# Altium PCB FMC_SDR_XFE.PcbDoc (part 1 of 4)
Units mm, origin at the board's own origin, x right, y up, seen from the top; angles counter-clockwise.
Board outline 84 x 69 mm, 8 copper layers (Top, Int1 [GND], Int2 [shielded signals], Int3 [GND], Int4 [PWR], Int5 [signals], Int6 [PWR], Bottom), stack 1.579 mm thick; 430 components, 195 nets, 1289 pads, 1371 vias.
Unrouted connection lines stored in the file: 1.
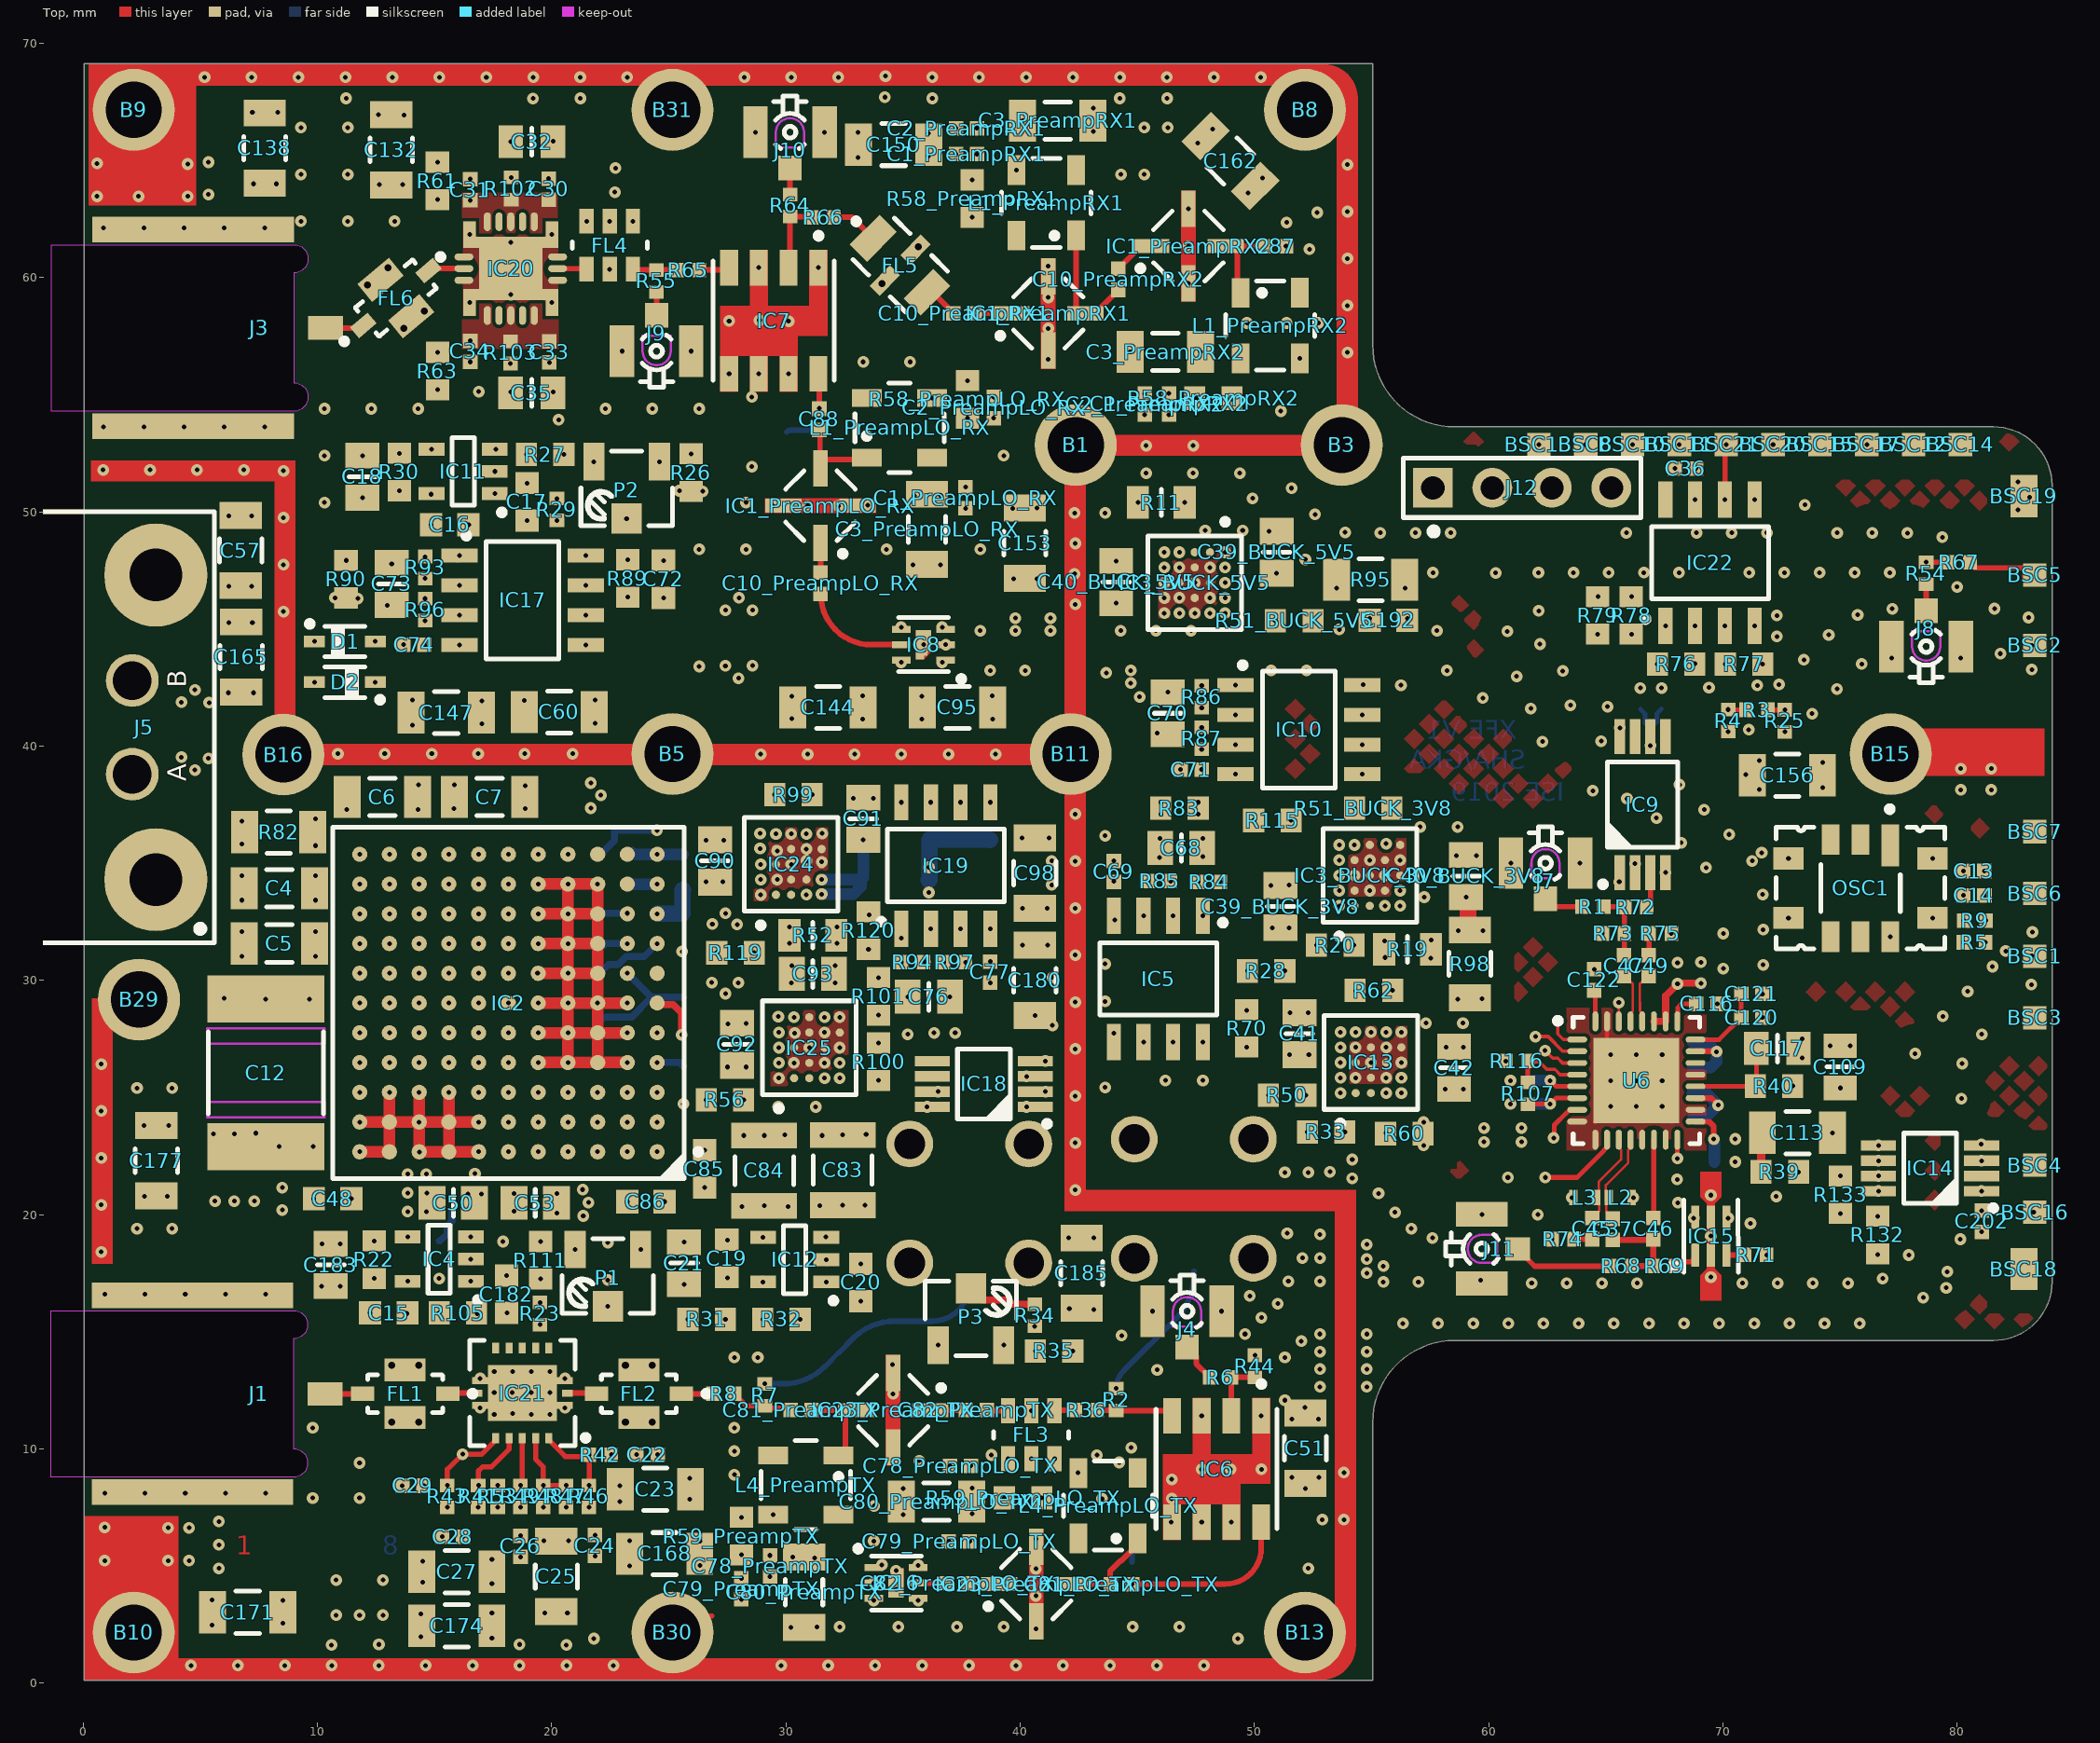
[diagram p0: Top view]
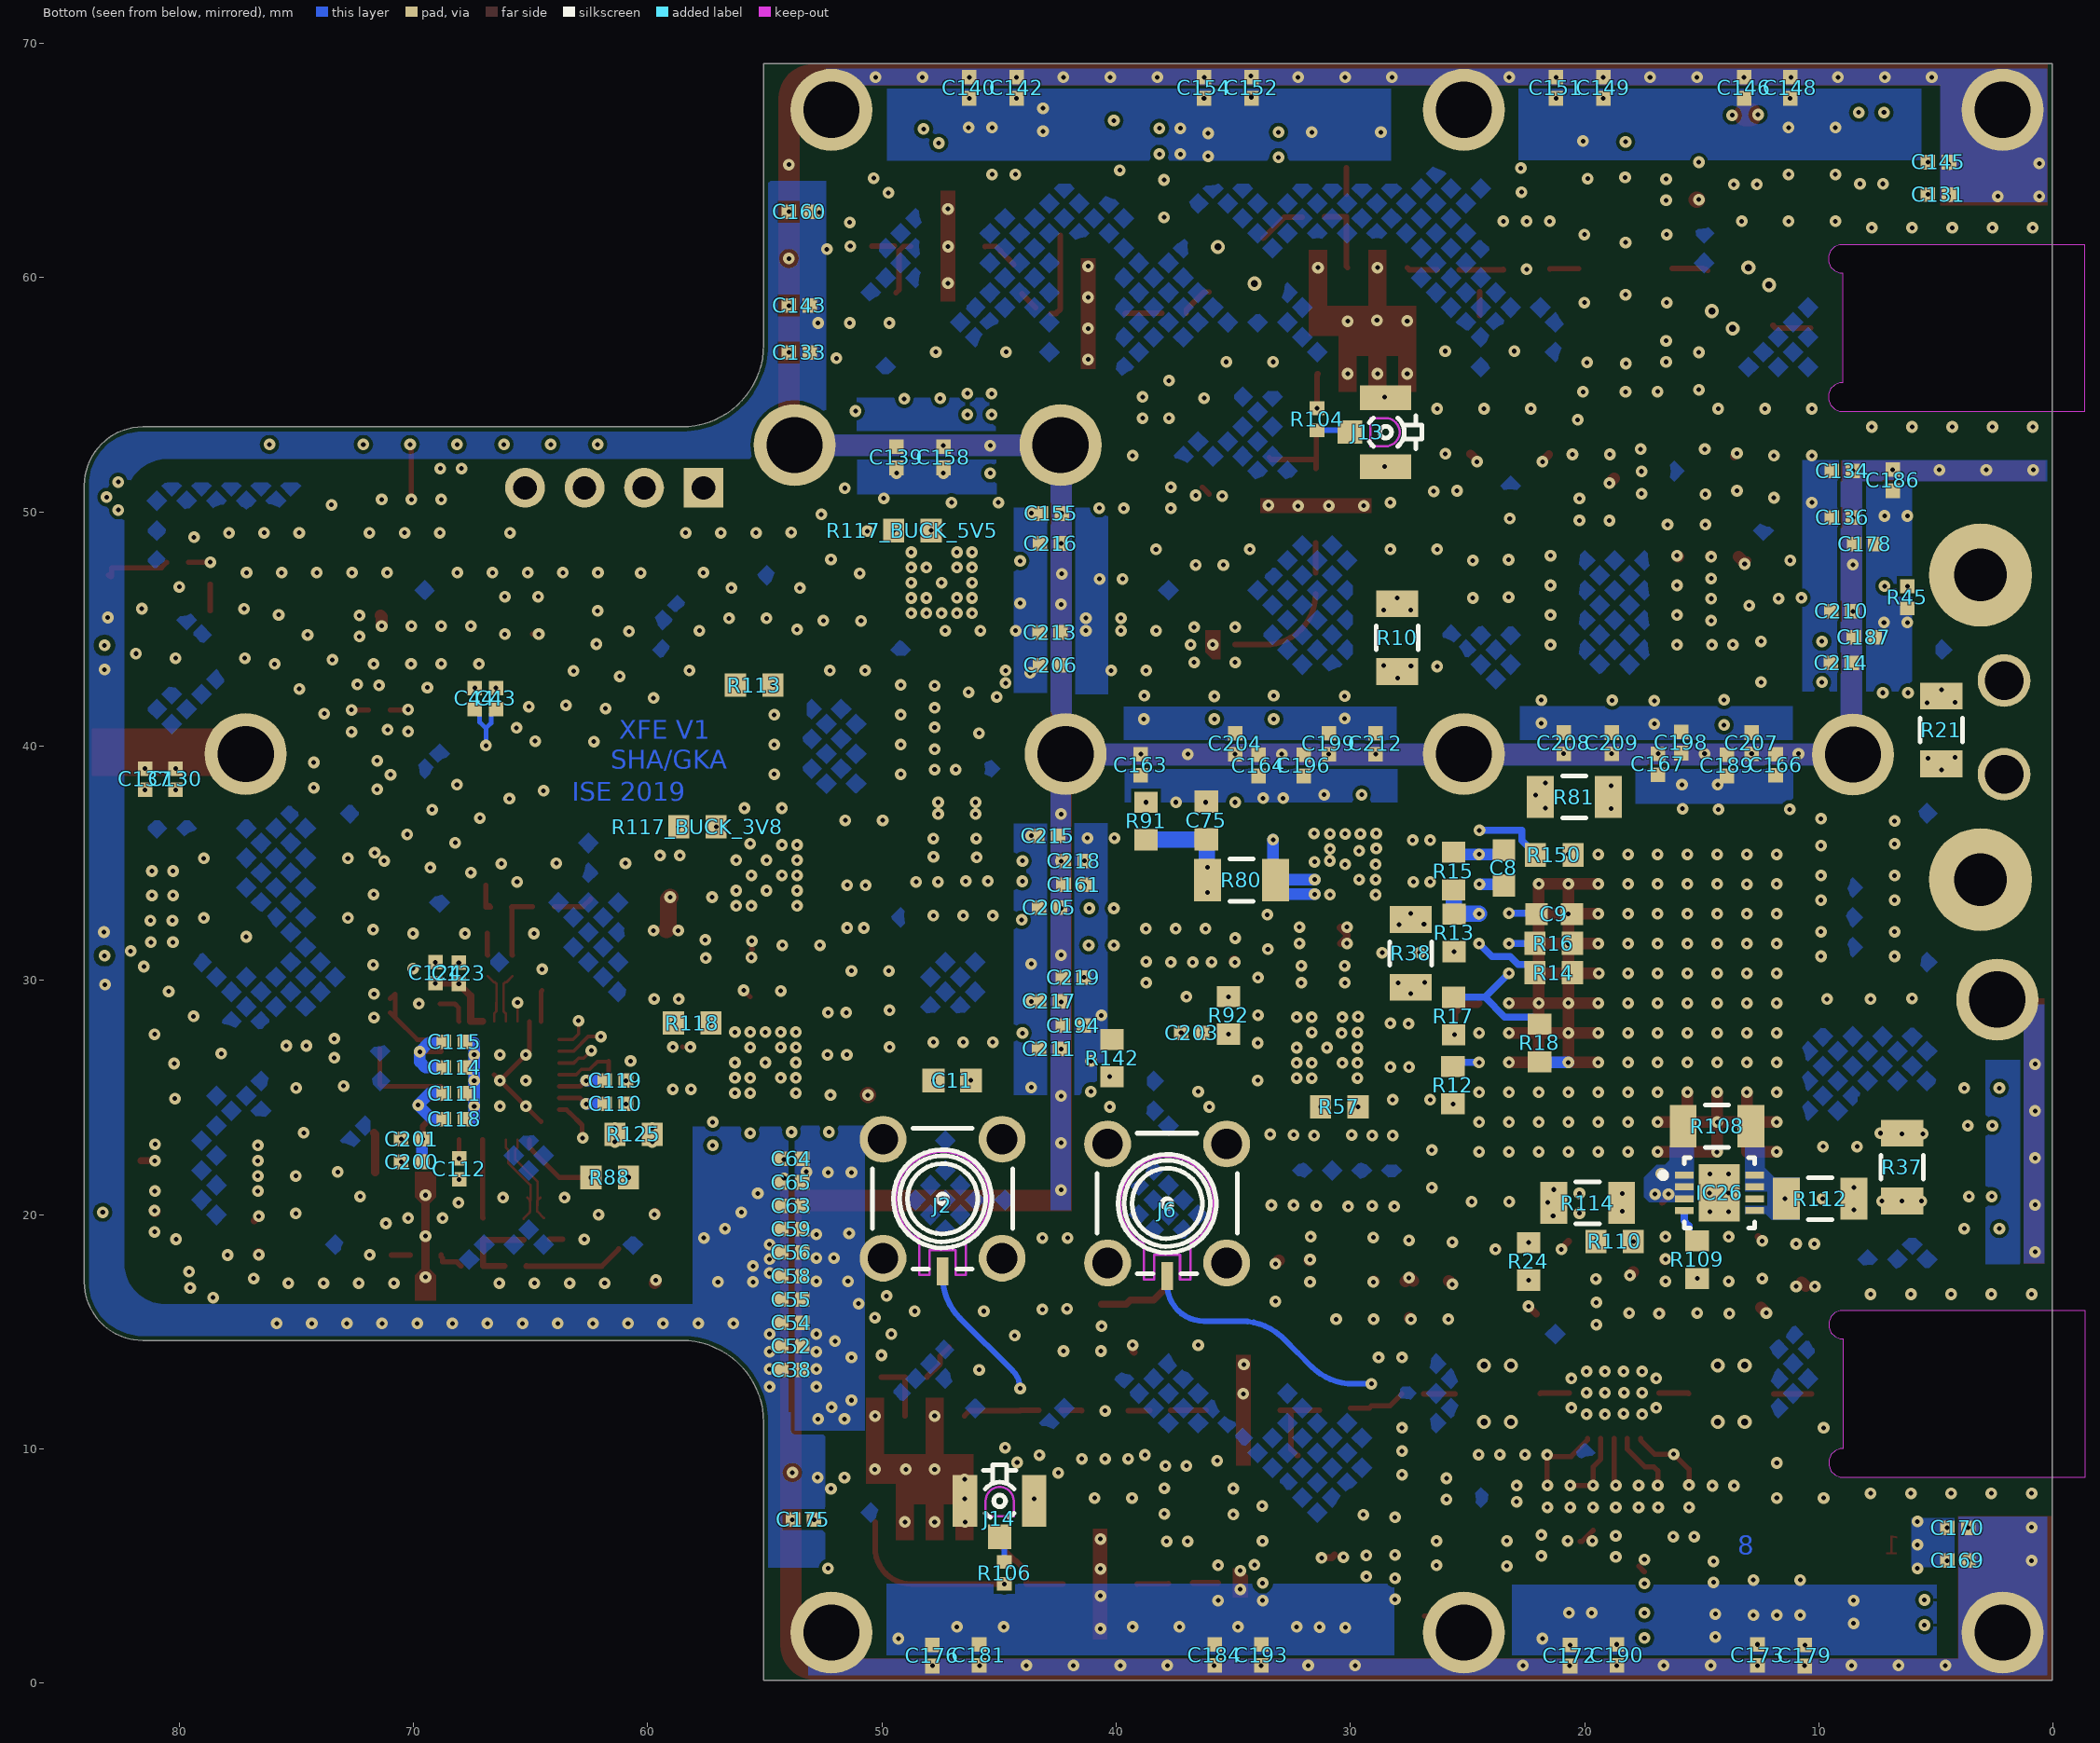
[diagram p1: Bottom view, seen from below]
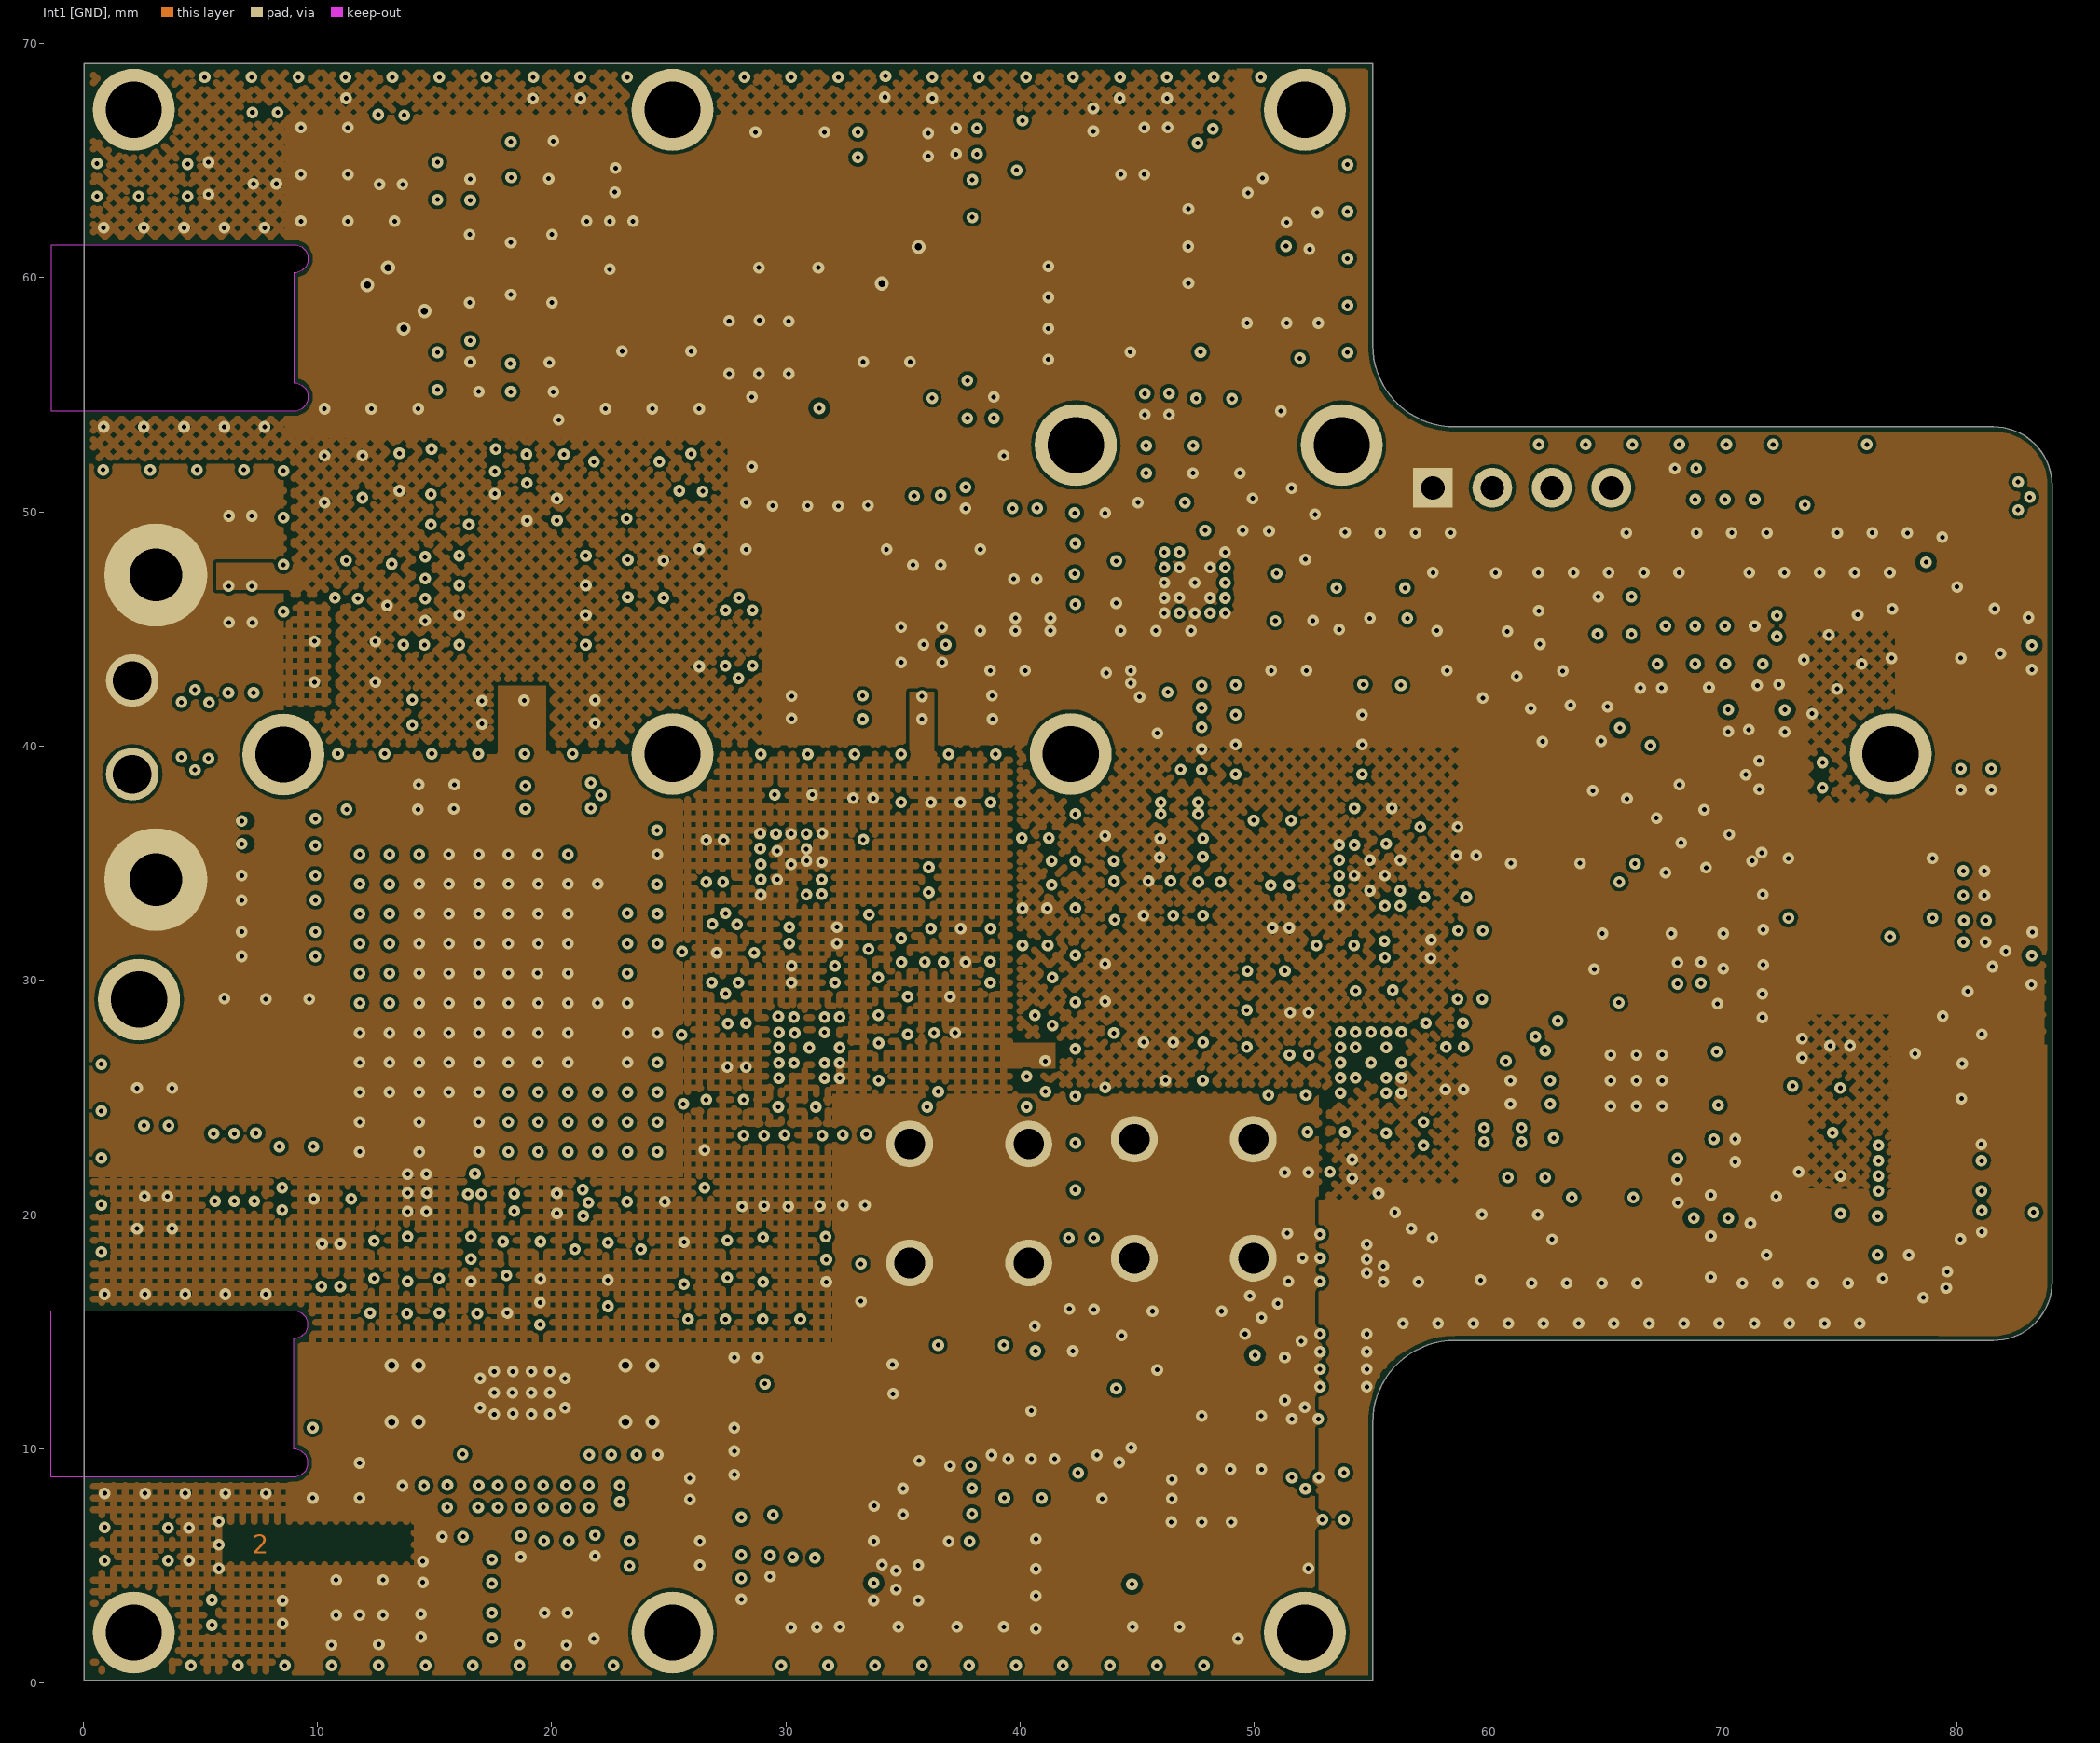
[diagram p2: Int1 [GND]]
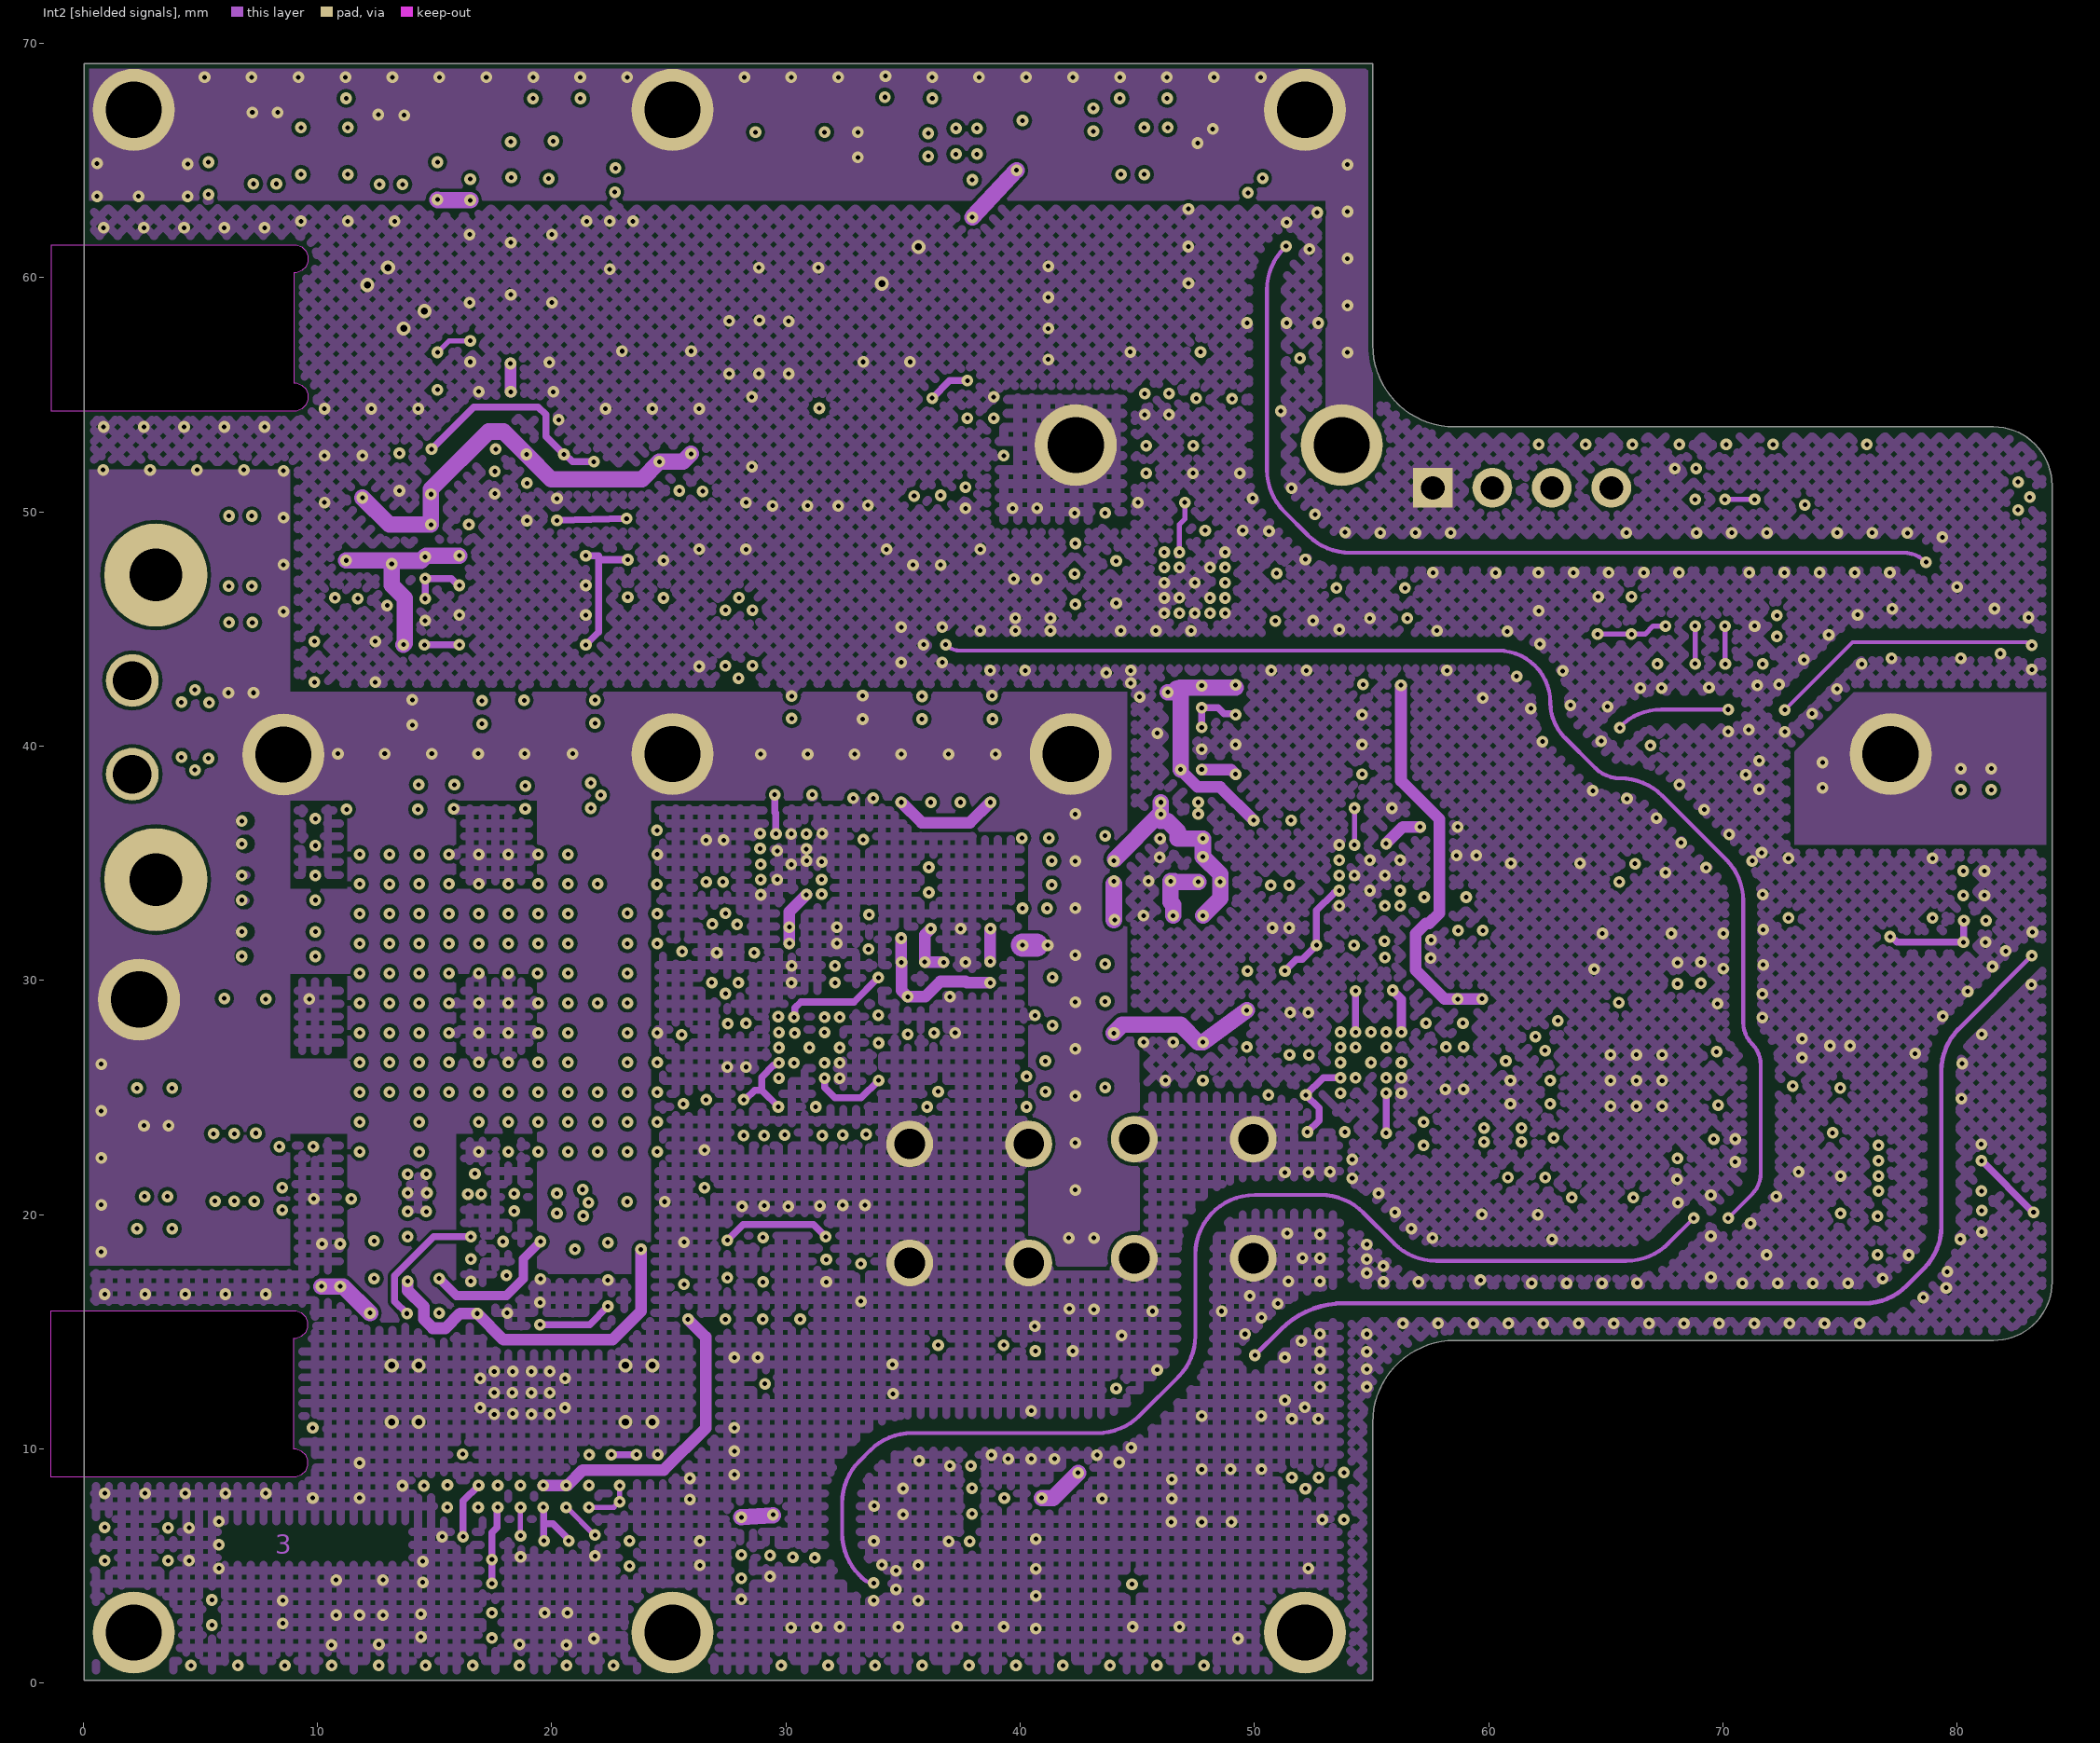
[diagram p3: Int2 [shielded signals]]